# Altium PCB PCB1.PcbDoc (part 2 of 4) (continued)
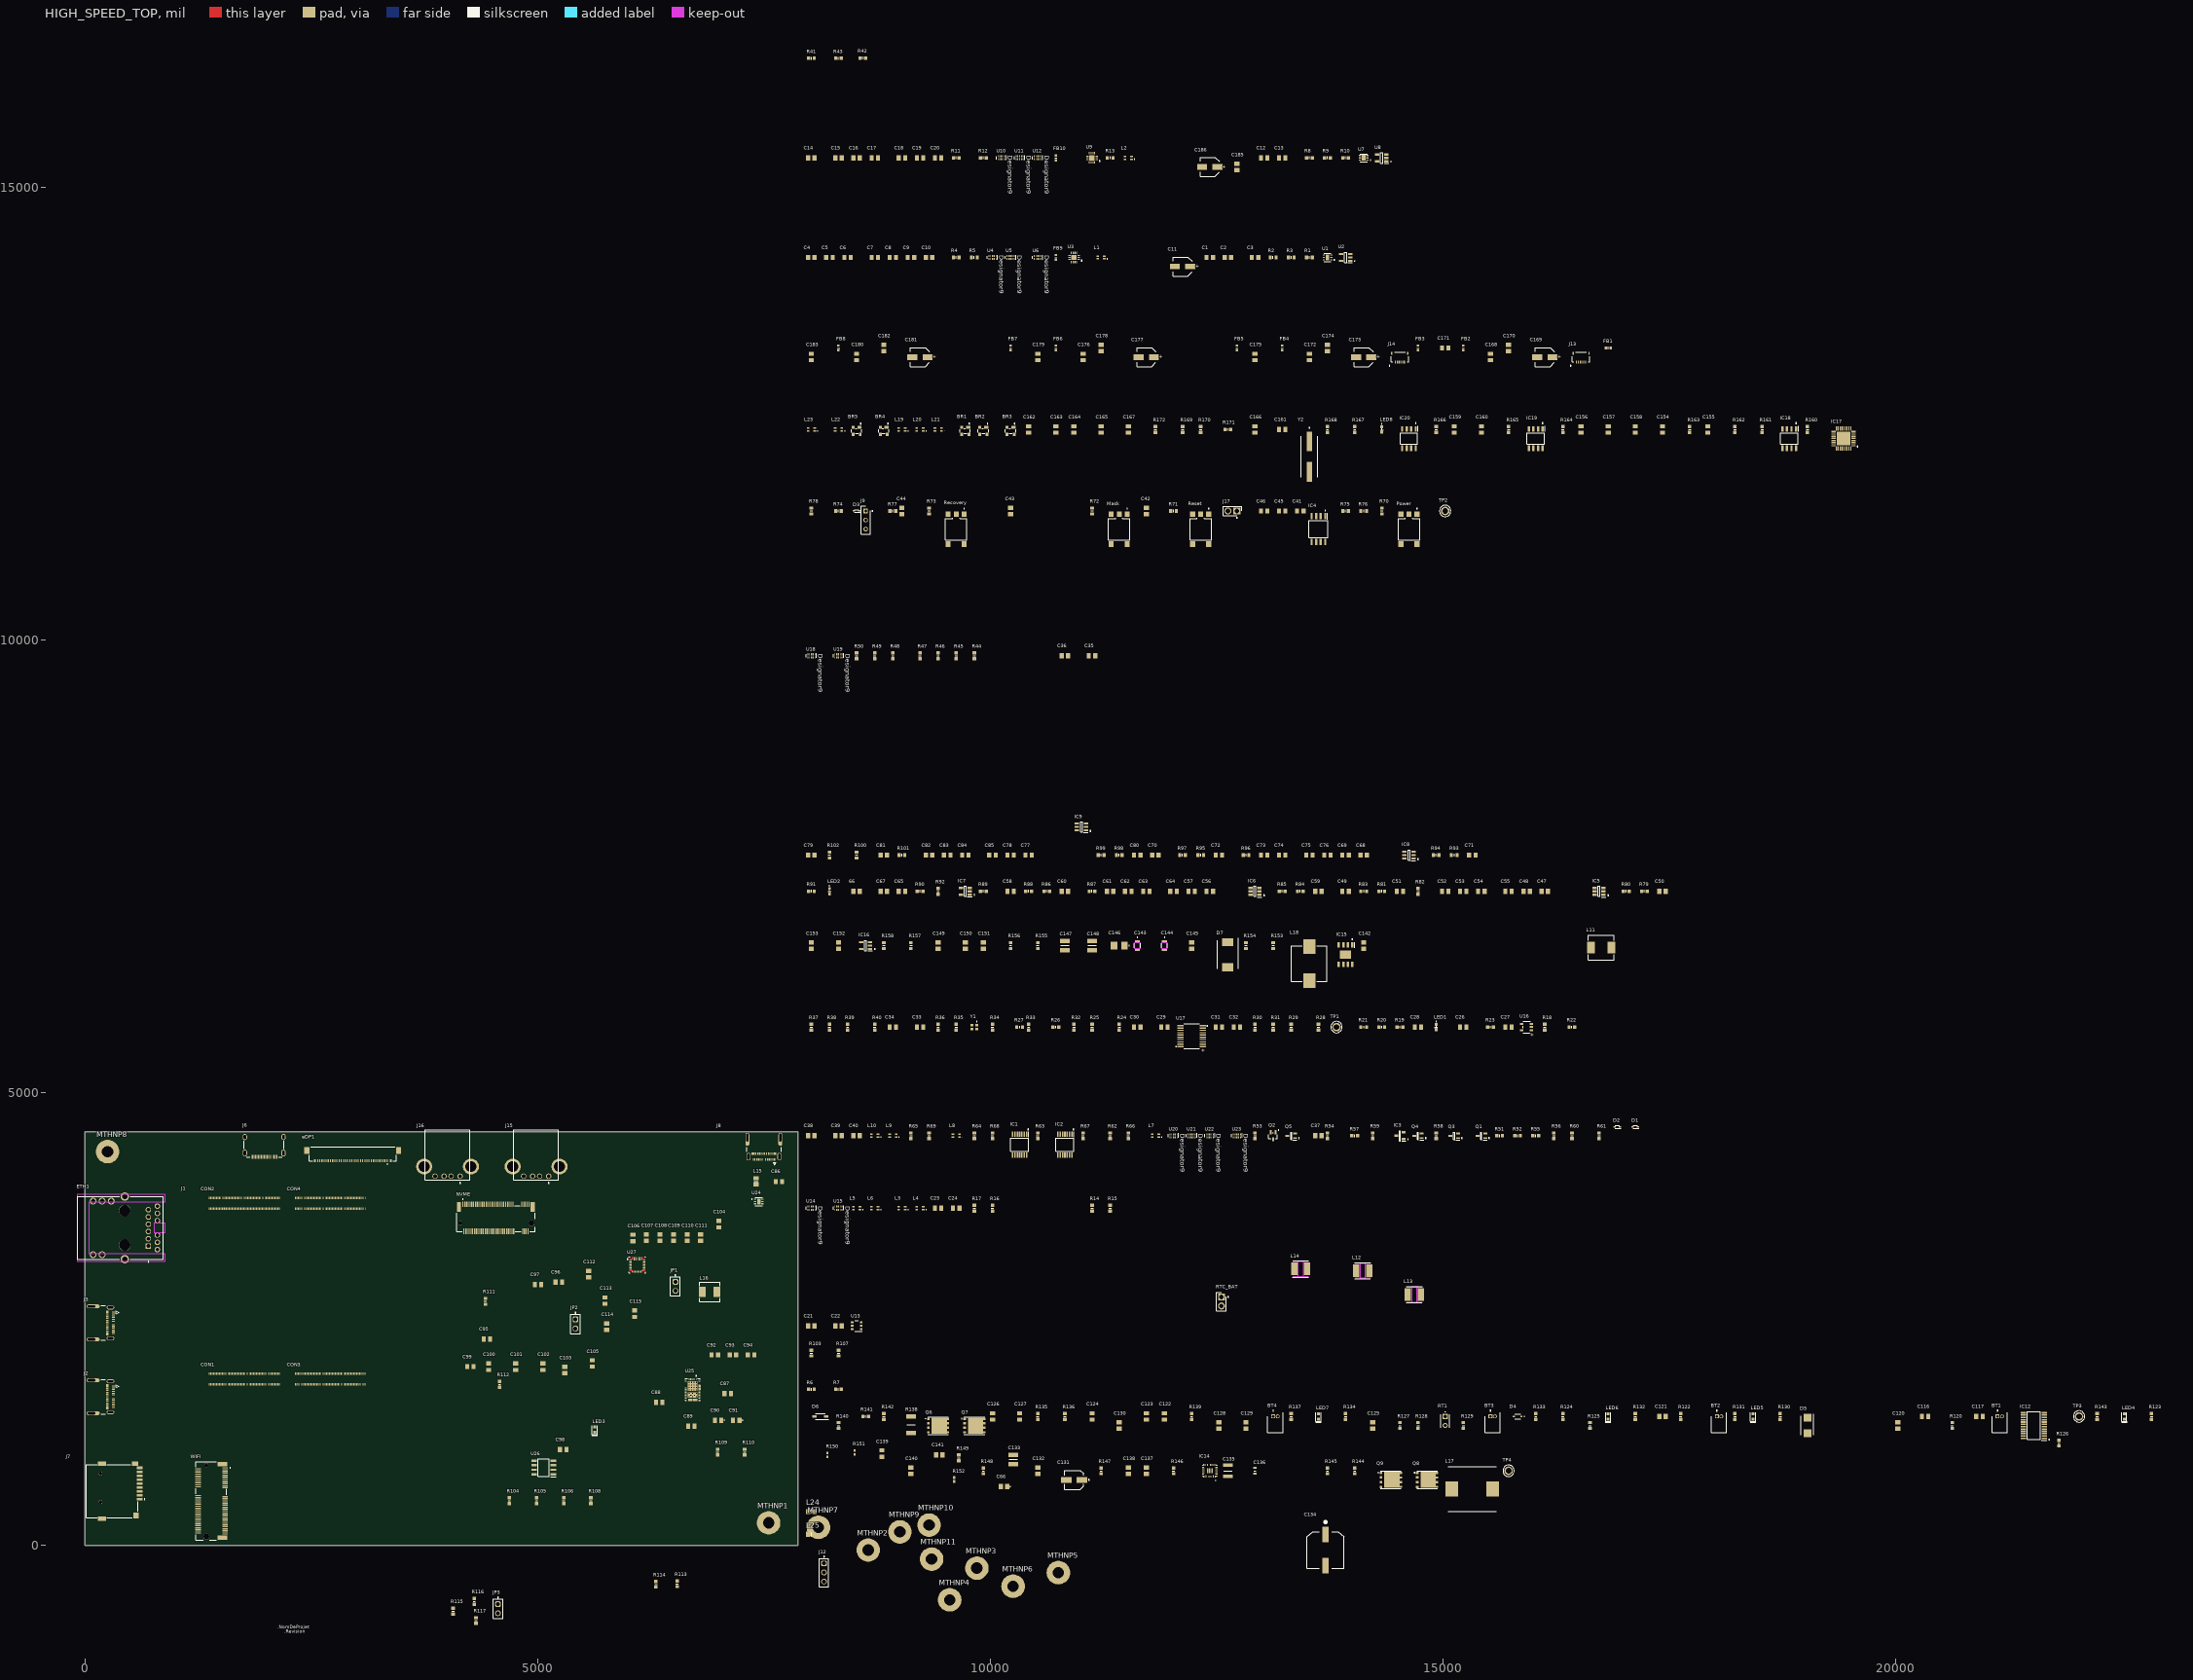
[diagram p0: HIGH_SPEED_TOP view]
## Part data (continued)
C90 C91: library part C0805C331K3GACTU, "330pF 25VC0G 0805 10%", Case Code (Imperial)=0805, Case Code (Metric)=2012, Dielectric=C0G, Dielectric Material=Ceramic, Manufacturer=KEMET, Max Operating Temperature=125°C, Min Operating Temperature=-55°C, Mouser Part Number=80-C0805C331K3G, Supplier Part Number=399-C0805C331K3GACTUCT-ND, Temperature Coefficient=30ppm/°C, Tolerance=10%, Voltage Rating=25V, Case/Package=0805, Category="Ceramic Capacitors", ComponentLink1Description=http://www.mouser.com/ds/2/212/KEM_C1003_C0G_SMD-1101588.pdf?src-supplier=Mouser, ComponentLink1URL=http://www.mouser.com/ds/2/212/KEM_C1003_C0G_SMD-1101588.pdf?src-supplier=Mouser, ComponentLink2Description=http://components.arrow.com/part/dataview/29547903S8614793N7429?src-supplier=Arrow+Electronics, ComponentLink2URL=http://components.arrow.com/part/dataview/29547903S8614793N7429?src-supplier=Arrow+Electronics, ComponentLink3Description=https://api.kemet.com/component-edge/download/datasheet/C0805C331K3GACTU.pdf?src-supplier=Digikey, ComponentLink3URL=https://api.kemet.com/component-edge/download/datasheet/C0805C331K3GACTU.pdf?src-supplier=Digikey, Construction=Flat, Datasheet Link=https://content.kemet.com/datasheets/KEM_C1003_C0G_SMD.pdf, Depth=1.25mm, Height=1.1mm, Lead Free="Lead Free", Length=2mm, Manufacturer Part Number=C0805C331K3GACTU, Manufacturer_Name=KEMET, Manufacturer_Part_Number=C0805C331K3GACTU, Material=4241ConductorMaterial, Mounting Technology="Surface Mount", Mouser Price/Stock=https://www.mouser.com/Search/Refine.aspx?Keyword=80-C0805C331K3G, Packaging="Tape and Reel", Pricing="1=0.26, 10=0.151, 100=0.0965, 1000=0.06823 (USD)", RoHS=Yes, RoHS Compliant=Yes, Series="SMD Comm C0G", Stock=3769, Supplier=Digikey, Termination=SMD/SMT, Voltage Rating (DC)=25V, Weight=0.000194oz, Width=1.25mm
C92 C93: library part CL21A226MAYNNNE, "22uF/25V 20% X5R 0805", Case/Package=0805, Dielectric=X5R, Manufacturer=Samsung, Manufacturer_Name=SAMSUNG, Max Operating Temperature=85°C, Min Operating Temperature=-55°C, Mouser Part Number=187-CL21A226MAYNNNE, Supplier Part Number=1276-CL21A226MAYNNNECT-ND, Tolerance=20%, Voltage Rating=25V, Arrow Part Number=CL21A226MAYNNNE, Arrow Price/Stock=https://www.arrow.com/en/products/cl21a226maynnne/samsung-electro-mechanics?utm_currency=USD&region=nac, Category="Ceramic Capacitors", ComponentLink1Description=https://datasheet.octopart.com/CL21A226MAYNNNE-Samsung-Electro-Mechanics-datasheet-149154243.pdf?src-supplier=Future+Electronics, ComponentLink1URL=https://datasheet.octopart.com/CL21A226MAYNNNE-Samsung-Electro-Mechanics-datasheet-149154243.pdf?src-supplier=Future+Electronics, Datasheet Link=http://product.samsungsem.com/mlcc/CL21A226MAYNNN.do, Height=1.45mm, Manufacturer Part Number=CL21A226MAYNNNE, Manufacturer_Part_Number=CL21A226MAYNNNE, Mouser Price/Stock=https://www.mouser.co.uk/ProductDetail/Samsung-Electro-Mechanics/CL21A226MAYNNNE?qs=xZ%2FP%252Ba9zWqY%2FVvCfXjMhqg%3D%3D, Pricing="1=0.14, 10=0.083, 100=0.0544, 1000=0.04301 (USD)", RoHS=Yes, RoHS Compliant=Yes, Stock=687201, Supplier=Digikey, Voltage Rating (DC)=25V
C97 C102 C106 C112: library part C0805C104K5RACTU, "0.1uF/50V X7R 10% 0805 Multilayer Ceramic Capacitors Mlcc Smd/Smt Rohs", Case Code (Imperial)=0805, Case Code (Metric)=2012, Dielectric=X7R, Manufacturer=KEMET, Max Operating Temperature=125°C, Min Operating Temperature=-55°C, Mouser Part Number=80-C0805C104K5R, Package Quantity=4000, Supplier Part Number=399-C0805C104K5RACTUCT-ND, Temperature Coefficient=30ppm/°C, Tolerance=10%, Voltage=500V, Voltage Rating=50V, Arrow Part Number=C0805C104K5RACTU, Arrow Price/Stock=https://www.arrow.com/en/products/c0805c104k5ractu/kemet-corporation?utm_currency=USD&region=nac, Case/Package=0805, Category="Ceramic Capacitors", ComponentLink1Description=https://datasheet.ciiva.com/32431/slceramic-chip-condensers-e-32431755.pdf?src-supplier=Distrelec, ComponentLink1URL=https://datasheet.ciiva.com/32431/slceramic-chip-condensers-e-32431755.pdf?src-supplier=Distrelec, ComponentLink2Description=https://datasheet.ciiva.com/28682/1851736-28682232.pdf?src-supplier=Element14, ComponentLink2URL=https://datasheet.ciiva.com/28682/1851736-28682232.pdf?src-supplier=Element14, ComponentLink3Description=https://datasheet.ciiva.com/18410/70095383-18410815.pdf?src-supplier=Allied+Electronics, ComponentLink3URL=https://datasheet.ciiva.com/18410/70095383-18410815.pdf?src-supplier=Allied+Electronics, ComponentLink4Description=https://datasheet.ciiva.com/14589/70095383-14589048.pdf?src-supplier=Allied+Electronics, ComponentLink4URL=https://datasheet.ciiva.com/14589/70095383-14589048.pdf?src-supplier=Allied+Electronics, Construction=Flat, Datasheet Link=https://content.kemet.com/datasheets/KEM_C1002_X7R_SMD.pdf, Depth=1.25mm, Height=1.1mm, Lead Free=5697LeadFree, Lead Pitch=0.75mm, Length=2mm, Manufacturer Part Number=C0805C104K5RACTU, Manufacturer_Name=KEMET, Manufacturer_Part_Number=C0805C104K5RACTU, Material=4241ConductorMaterial, Mounting Technology="Surface Mount,PCB", Mouser Price/Stock=https://www.mouser.co.uk/ProductDetail/KEMET/C0805C104K5RACTU?qs=Pc30aiB8zWUISNb2Qeyxfw%3D%3D, Packaging="Tape and Reel", Pins=2, Pricing="1=0.09, 10=0.037, 100=0.0248, 1000=0.0224 (USD)", Radiation Hardening=No, Reach SVHC Compliant=No, RoHS=Yes, RoHS Compliant=Yes, Series="SMD Comm X7R", Stock=625118, Supplier=Digikey, Termination=SMD/SMT, Voltage Rating (DC)=50V, Width=1.2mm
C103 C141: library part C0805C475K4RACTU, "4.7 uF, 16 V, ± 10%, X7R, 0805 [2012 Metric]", Case Code (Imperial)=0805, Case Code (Metric)=2012, Dielectric=X7R, Dielectric Material=Ceramic, Manufacturer=KEMET, Max Operating Temperature=125°C, Min Operating Temperature=-55°C, Mouser Part Number=80-C0805C475K4R, Package Quantity=1, Supplier Part Number=399-C0805C475K4RACTUCT-ND, Tolerance=10%, Voltage=16V, Arrow Part Number=C0805C475K4RACTU, Arrow Price/Stock=https://www.arrow.com/en/products/c0805c475k4ractu/kemet-corporation?region=nac, Case/Package=0805, Category="Ceramic Capacitors", ComponentLink1Description=https://datasheet.ciiva.com/28682/1851736-28682348.pdf?src-supplier=Element14, ComponentLink1URL=https://datasheet.ciiva.com/28682/1851736-28682348.pdf?src-supplier=Element14, ComponentLink2Description=https://datasheet.ciiva.com/5408/kem-c1002-x7r-smd-5408584.pdf?src-supplier=Mouser, ComponentLink2URL=https://datasheet.ciiva.com/5408/kem-c1002-x7r-smd-5408584.pdf?src-supplier=Mouser, Datasheet Link=https://content.kemet.com/datasheets/KEM_C1002_X7R_SMD.pdf, Depth=1.25mm, Dissipation Factor=5%, Height=1.1mm, Length=2mm, Manufacturer Part Number=C0805C475K4RACTU, Manufacturer_Name=KEMET, Manufacturer_Part_Number=C0805C475K4RACTU, Material=4241ConductorMaterial, Mounting Technology="Surface Mount", Mouser Price/Stock=https://www.mouser.co.uk/ProductDetail/KEMET/C0805C475K4RACTU?qs=iP0bYSAMAFomlmlmK2IJkg%3D%3D, Packaging="Tape and Reel", Pricing="1=0.23, 10=0.131, 100=0.1203, 1000=0.10305 (USD)", Reach SVHC Compliant=No, RoHS=Yes, RoHS Compliant=Yes, Series=C, Stock=21230, Supplier=Digikey, Termination=SMD/SMT, Thickness=0.055inch, Voltage Rating=16V, Voltage Rating (DC)=16V, Width=0.049inch
C104 C105: library part C0805C473K3GACTU, "47nF/25V C0G 10% Pad SMD 0805 125C Extreme Low ESR T/R", Case Code (Imperial)=0805, Case Code (Metric)=2012, Dielectric=C0G, Dielectric Material=Ceramic, Manufacturer=KEMET, Max Operating Temperature=125°C, Min Operating Temperature=-55°C, Mouser Part Number=80-C0805C473K3G, Package Quantity=2500, Supplier Part Number=399-C0805C473K3GACTUCT-ND, Temperature Coefficient=30ppm/°C, Tolerance=10%, Voltage Rating=25V, Arrow Part Number=C0805C473K3GACTU, Arrow Price/Stock=https://www.arrow.com/en/products/c0805c473k3gactu/kemet-corporation, Case/Package=0805, Category="Ceramic Capacitors", ComponentLink1Description=http://www.mouser.com/ds/2/212/KEM_C1003_C0G_SMD-1101588.pdf?src-supplier=Mouser, ComponentLink1URL=http://www.mouser.com/ds/2/212/KEM_C1003_C0G_SMD-1101588.pdf?src-supplier=Mouser, ComponentLink2Description=https://datasheet.octopart.com/C0805C473K3GACTU-KEMET-datasheet-149524387.pdf?src-supplier=Farnell, ComponentLink2URL=https://datasheet.octopart.com/C0805C473K3GACTU-KEMET-datasheet-149524387.pdf?src-supplier=Farnell, ComponentLink3Description=http://www.kemet.com/docfinder?Partnumber=C0805C473K3GACTU&src-supplier=Digikey, ComponentLink3URL=http://www.kemet.com/docfinder?Partnumber=C0805C473K3GACTU&src-supplier=Digikey, ComponentLink4Description=https://datasheet.octopart.com/C0805C473K3GACTU-KEMET-datasheet-170333844.pdf?src-supplier=Element14, ComponentLink4URL=https://datasheet.octopart.com/C0805C473K3GACTU-KEMET-datasheet-170333844.pdf?src-supplier=Element14, ComponentLink5Description=https://datasheet.octopart.com/C0805C473K3GACTU-KEMET-datasheet-170576076.pdf?src-supplier=Newark, ComponentLink5URL=https://datasheet.octopart.com/C0805C473K3GACTU-KEMET-datasheet-170576076.pdf?src-supplier=Newark, Datasheet Link=https://content.kemet.com/datasheets/KEM_C1003_C0G_SMD.pdf, Dissipation Factor=0.1%, Height=1.1mm, Lead Free="Lead Free", Length=0.079inch, Manufacturer Part Number=C0805C473K3GACTU, Manufacturer_Name=KEMET, Manufacturer_Part_Number=C0805C473K3GACTU, Material=4241ConductorMaterial, Mounting Technology="Surface Mount", Mouser Price/Stock=https://www.mouser.co.uk/ProductDetail/KEMET/C0805C473K3GACTU?qs=hgatC5DSIDyRnutBseD8Ww%3D%3D, Packaging="Tape and Reel", Pricing="1=0.73, 10=0.458, 100=0.3172, 1000=0.24413 (USD)", RoHS=Yes, RoHS Compliant=Yes, Series=C0805C, Stock=53635, Supplier=Digikey, Termination=SMD/SMT, Thickness=0.055inch, Voltage Rating (DC)=25V, Width=1.2mm
C131: "56uF 20VDC 20%( Cap Aluminum Polymer SMD 0.03 Ohm 2800mA 5000h 105C T/R", Case/Package=Radial, ESR (Equivalent Series Resistance)=30mR, Leakage Current=224uA, Manufacturer=Panasonic, Max Operating Temperature=105°C, Min Operating Temperature=-55°C, Mouser Part Number=667-20SVPF56MX, Package Quantity=1500, Ripple Current=2.8A, Supplier Part Number=P16502CT-ND, Tolerance=20%, Voltage=20V, Arrow Part Number=20SVPF56MX, Arrow Price/Stock=https://www.arrow.com/en/products/20svpf56mx/panasonic?region=nac, Category="Polymer Capacitors", ComponentLink1Description=https://datasheet.ciiva.com/25746/1734360-25746730.pdf?src-supplier=Farnell, ComponentLink1URL=https://datasheet.ciiva.com/25746/1734360-25746730.pdf?src-supplier=Farnell, ComponentLink2Description=https://datasheet.ciiva.com/24066/svpf-os-262415-24066271.pdf?src-supplier=Mouser, ComponentLink2URL=https://datasheet.ciiva.com/24066/svpf-os-262415-24066271.pdf?src-supplier=Mouser, ComponentLink3Description=https://datasheet.ciiva.com/48542/svpf-eng-ds-48542383.pdf?src-supplier=Distrelec, ComponentLink3URL=https://datasheet.ciiva.com/48542/svpf-eng-ds-48542383.pdf?src-supplier=Distrelec, Datasheet Link=http://industrial.panasonic.com/cdbs/www-data/pdf/AAB8000/AAB8000C177.pdf, Diameter=5mm, Dissipation Factor=12%, Height=6mm, Length=5.9mm, Life (Hours)=5000Hour, Manufacturer Part Number=20SVPF56MX, Manufacturer_Name=Panasonic, Manufacturer_Part_Number=20SVPF56MX, Mounting Technology="Surface Mount", Mouser Price/Stock=https://www.mouser.co.uk/ProductDetail/Panasonic/20SVPF56MX?qs=OE1iw1LrrPFJ8spd6yzaew%3D%3D, Packaging="Tape and Reel", Pins=6, Pricing="1=0.84, 10=0.481, 50=0.473, 100=0.453, 500=0.407 (USD)", Reach SVHC Compliant=No, Ripple Current (AC)=2.8A, RoHS=Yes, RoHS Compliant=Yes, Series="OS-CON™, SVPF", Stock=2410, Supplier=Digikey, Termination=SMD/SMT, Voltage Rating=20V, Voltage Rating (DC)=20V
C133: library part GRM32ER61E226KE15L, "1210 22 uF 25 V ±10% Tolerance X5R SMT Multilayer Ceramic Capacitor", Case Code (Imperial)=1210, Case Code (Metric)=3225, Dielectric=X5R, Manufacturer=Murata, Manufacturer_Name="Murata Electronics", Max Operating Temperature=85°C, Min Operating Temperature=-55°C, Mouser Part Number=81-GRM32ER61E226KE15, Package Quantity=1, Supplier Part Number=490-3889-1-ND, Tolerance=10%, Voltage=25V, Arrow Part Number=GRM32ER61E226KE15L, Arrow Price/Stock=https://www.arrow.com/en/products/grm32er61e226ke15l/murata-manufacturing?utm_currency=USD&region=nac, Case/Package=1210, Category="Ceramic Capacitors", ComponentLink1Description=https://datasheet.ciiva.com/143/product-143250.pdf?src-supplier=Digikey, ComponentLink1URL=https://datasheet.ciiva.com/143/product-143250.pdf?src-supplier=Digikey, ComponentLink2Description=https://datasheet.ciiva.com/3777/2725grm32er61e226ke1523-3777196.pdf?src-supplier=Arrow+Electronics, ComponentLink2URL=https://datasheet.ciiva.com/3777/2725grm32er61e226ke1523-3777196.pdf?src-supplier=Arrow+Electronics, ComponentLink3Description=https://datasheet.ciiva.com/11787/0900766b80ef921d-11787889.pdf?src-supplier=Rs, ComponentLink3URL=https://datasheet.ciiva.com/11787/0900766b80ef921d-11787889.pdf?src-supplier=Rs, ComponentLink4Description=https://datasheet.ciiva.com/143/grm32er61e226ke15-01-143251.pdf?src-supplier=Digikey, ComponentLink4URL=https://datasheet.ciiva.com/143/grm32er61e226ke15-01-143251.pdf?src-supplier=Digikey, ComponentLink5Description=https://datasheet.ciiva.com/143/grm32er61e226ke15-01-143252.pdf?src-supplier=Digikey, ComponentLink5URL=https://datasheet.ciiva.com/143/grm32er61e226ke15-01-143252.pdf?src-supplier=Digikey, ComponentLink6Description=https://datasheet.ciiva.com/2989/product-2989817.pdf?src-supplier=Avnet, ComponentLink6URL=https://datasheet.ciiva.com/2989/product-2989817.pdf?src-supplier=Avnet, ComponentLink7Description=https://datasheet.ciiva.com/2989/product-2989818.pdf?src-supplier=Avnet, ComponentLink7URL=https://datasheet.ciiva.com/2989/product-2989818.pdf?src-supplier=Avnet, ComponentLink8Description=https://datasheet.ciiva.com/16348/l0006e-16348889.pdf?src-supplier=Future+Electronics, ComponentLink8URL=https://datasheet.ciiva.com/16348/l0006e-16348889.pdf?src-supplier=Future+Electronics, ComponentLink9Description=https://datasheet.ciiva.com/7719/608985-7719195.pdf?src-supplier=Element14, ComponentLink9URL=https://datasheet.ciiva.com/7719/608985-7719195.pdf?src-supplier=Element14, ComponentLink10Description=https://datasheet.ciiva.com/14116/grmseries-highdielectrictype-eng-14116379.pdf?src-supplier=Distrelec, ComponentLink10URL=https://datasheet.ciiva.com/14116/grmseries-highdielectrictype-eng-14116379.pdf?src-supplier=Distrelec, ComponentLink11Description=https://datasheet.ciiva.com/22706/608985-22706873.pdf?src-supplier=Element14, ComponentLink11URL=https://datasheet.ciiva.com/22706/608985-22706873.pdf?src-supplier=Element14, Construction=Flat, Datasheet Link=https://search.murata.co.jp/Ceramy/image/img/A01X/G101/ENG/GRM32ER61E226KE15-01A.pdf, Depth=2.5mm, Height=2.7mm, Lead Free="Lead Free", Length=3.2mm, Manufacturer Part Number=GRM32ER61E226KE15L, Manufacturer_Part_Number=GRM32ER61E226KE15L, Material=Ceramic, Mounting Technology="Surface Mount", Mouser Price/Stock=https://www.mouser.co.uk/ProductDetail/Murata-Electronics/GRM32ER61E226KE15L?qs=CHiu0TXTCq%252Bo%252Bcqcz70txw%3D%3D, Packaging="Tape and Reel", Pins=2, Pricing="1=1.44, 10=1.213, 100=0.9457 (USD)", Reach SVHC Compliant=No, RoHS=Yes, RoHS Compliant=Yes, Series=GRM, Stock=470491, Supplier=Digikey, Termination=SMD/SMT, Thickness=0.106inch, Voltage Rating=25V, Voltage Rating (DC)=25V, Width=2.5mm
C134: library part 35SVPF120M, "120uF 35VDC 20% Cap Aluminum Polymer   SMD 0.018 Ohm 4400mA 5000h 105C T/R", Case/Package=Radial, ESR (Equivalent Series Resistance)=18mR, Leakage Current=840uA, Manufacturer=Panasonic, Max Operating Temperature=105°C, Min Operating Temperature=-55°C, Mouser Part Number=667-35SVPF120M, Package Quantity=400, Ripple Current=4.4A, Supplier Part Number=P16559CT-ND, Tolerance=20%, Voltage=35V, Arrow Part Number=35SVPF120M, Arrow Price/Stock=https://www.arrow.com/en/products/35svpf120m/panasonic?utm_currency=USD&region=nac, Category="Polymer Capacitors", ComponentLink1Description=https://datasheet.ciiva.com/25761/1734360-25761535.pdf?src-supplier=Farnell, ComponentLink1URL=https://datasheet.ciiva.com/25761/1734360-25761535.pdf?src-supplier=Farnell, ComponentLink2Description=https://datasheet.ciiva.com/24094/svpf-os-262415-24094351.pdf?src-supplier=Mouser, ComponentLink2URL=https://datasheet.ciiva.com/24094/svpf-os-262415-24094351.pdf?src-supplier=Mouser, ComponentLink3Description=https://datasheet.ciiva.com/48542/svpf-eng-ds-48542424.pdf?src-supplier=Distrelec, ComponentLink3URL=https://datasheet.ciiva.com/48542/svpf-eng-ds-48542424.pdf?src-supplier=Distrelec, ComponentLink4Description=https://datasheet.ciiva.com/49032/70324301-49032503.pdf?src-supplier=Allied+Electronics, ComponentLink4URL=https://datasheet.ciiva.com/49032/70324301-49032503.pdf?src-supplier=Allied+Electronics, ComponentLink5Description=https://datasheet.ciiva.com/22746/1734360-22746250.pdf?src-supplier=Element14, ComponentLink5URL=https://datasheet.ciiva.com/22746/1734360-22746250.pdf?src-supplier=Element14, Datasheet Link=http://industrial.panasonic.com/cdbs/www-data/pdf/AAB8000/AAB8000C177.pdf, Diameter=10mm, Dissipation Factor=12%, Height=12.7mm, Lead Free="Lead Free", Length=12.6mm, Life (Hours)=5000Hour, Manufacturer Part Number=35SVPF120M, Manufacturer_Name=Panasonic, Manufacturer_Part_Number=35SVPF120M, Material=Polymer, Mounting Technology="Surface Mount,PCB", Mouser Price/Stock=https://www.mouser.co.uk/ProductDetail/Panasonic/35SVPF120M?qs=OE1iw1LrrPEMtY1ZtoIEvg%3D%3D, Packaging="Tape and Reel", Pins=12, Pricing="1=2.52, 10=1.63, 50=1.35, 100=1.2 (USD)", Reach SVHC Compliant=No, Ripple Current (AC)=4.4A, RoHS=Yes, RoHS Compliant=Yes, Series="OS-CON™, SVPF", Stock=8642, Supplier=Digikey, Termination=SMD/SMT, Voltage Rating=35V, Voltage Rating (DC)=35V
C135: library part C3225X7R1H106M250AC, "10 uF 50 V 1210 ±20 % Tolerance X7R SMT Multilayer Ceramic Capacitor", Case Code (Imperial)=1210, Case Code (Metric)=3225, Dielectric=X7R, Dielectric Material=Ceramic, Manufacturer=TDK, Max Operating Temperature=125°C, Min Operating Temperature=-55°C, Mouser Part Number=810-C3225X7R1H106MAC, Package Quantity=1000, Supplier Part Number=445-14933-1-ND, Tolerance=20%, Voltage Rating=50V, Arrow Part Number=C3225X7R1H106M250AC, Arrow Price/Stock=https://www.arrow.com/en/products/c3225x7r1h106m250ac/tdk?region=nac, Case/Package=1210, Category="Ceramic Capacitors", ComponentLink1Description=http://www.farnell.com/datasheets/2792994.pdf?src-supplier=Farnell, ComponentLink1URL=http://www.farnell.com/datasheets/2792994.pdf?src-supplier=Farnell, ComponentLink2Description=http://www.mouser.com/ds/2/400/tdk_mlcc_commercial_general_en-542463.pdf?src-supplier=Mouser, ComponentLink2URL=http://www.mouser.com/ds/2/400/tdk_mlcc_commercial_general_en-542463.pdf?src-supplier=Mouser, ComponentLink3Description=https://product.tdk.com/info/en/documents/chara_sheet/C3225X7R1H106M250AC.pdf?src-supplier=Digikey, ComponentLink3URL=https://product.tdk.com/info/en/documents/chara_sheet/C3225X7R1H106M250AC.pdf?src-supplier=Digikey, ComponentLink4Description=http://product.tdk.com/capacitor/mlcc/en/documents/mlcc_commercial_general_en.pdf?src-supplier=Avnet, ComponentLink4URL=http://product.tdk.com/capacitor/mlcc/en/documents/mlcc_commercial_general_en.pdf?src-supplier=Avnet, ComponentLink5Description=http://www.farnell.com/datasheets/2291921.pdf?src-supplier=Newark, ComponentLink5URL=http://www.farnell.com/datasheets/2291921.pdf?src-supplier=Newark, ComponentLink6Description=https://datasheet.octopart.com/C3225X7R1H106M250AC-TDK-datasheet-14433597.pdf?src-supplier=Future+Electronics, ComponentLink6URL=https://datasheet.octopart.com/C3225X7R1H106M250AC-TDK-datasheet-14433597.pdf?src-supplier=Future+Electronics, Datasheet Link=https://product.tdk.com/info/en/catalog/datasheets/mlcc_commercial_midvoltage_en.pdf, Height=2.3mm, Lead Free="Lead Free", Length=0.126inch, Manufacturer Part Number=C3225X7R1H106M250AC, Manufacturer_Name=TDK, Manufacturer_Part_Number=C3225X7R1H106M250AC, Material=Ceramic, Mounting Technology="Surface Mount", Mouser Price/Stock=https://www.mouser.co.uk/ProductDetail/TDK/C3225X7R1H106M250AC?qs=6JAMGB%252BEdkwY95l8JqNSnw%3D%3D, Packaging="Tape and Reel", Pricing="1=0.96, 10=0.612, 100=0.4336 (USD)", Reach SVHC Compliant=No, RoHS=Yes, RoHS Compliant=Yes, Series=C, Stock=7078, Supplier=Digikey, Termination=SMD/SMT, Thickness=0.11inch, Voltage Rating (DC)=50V, Weight=0.000564oz, Width=0.098inch
C136: library part C1608X5R1H105K080AB, "1uF / 50 V, X5R,  Surface Mount, 0603", Case Code (Imperial)=0603, Case Code (Metric)=1608, Dielectric=X5R, Dielectric Material=4241ConductorMaterial, Manufacturer=TDK, Max Operating Temperature=85°C, Min Operating Temperature=-55°C, Mouser Part Number=810-C1608X5R1H105K, Package Quantity=1, Supplier Part Number=445-7468-1-ND, Tolerance=10%, Voltage=50V, Arrow Part Number=C1608X5R1H105K080AB, Arrow Price/Stock=https://www.arrow.com/en/products/c1608x5r1h105k080ab/tdk?region=nac, Case/Package=0603, Category="Ceramic Capacitors", ComponentLink1Description=https://datasheet.ciiva.com/6291/tdkmlcccaprange-6291880.pdf?src-supplier=Digikey, ComponentLink1URL=https://datasheet.ciiva.com/6291/tdkmlcccaprange-6291880.pdf?src-supplier=Digikey, ComponentLink2Description=https://datasheet.ciiva.com/22694/1796654-22694122.pdf?src-supplier=Element14, ComponentLink2URL=https://datasheet.ciiva.com/22694/1796654-22694122.pdf?src-supplier=Element14, Construction=Flat, Datasheet Link=https://product.tdk.com/info/en/catalog/datasheets/mlcc_commercial_midvoltage_en.pdf, Depth=0.8mm, Height=0.8mm, Lead Free="Lead Free", Length=1.6mm, Manufacturer Part Number=C1608X5R1H105K080AB, Manufacturer_Name=TDK, Manufacturer_Part_Number=C1608X5R1H105K080AB, Material=Ceramic, Mounting Technology="Surface Mount", Mouser Price/Stock=https://www.mouser.co.uk/ProductDetail/TDK/C1608X5R1H105K080AB?qs=NRhsANhppD%252BLmxnPDqAv3A%3D%3D, Packaging="Tape and Reel", Pins=2, Pricing="1=0.15, 10=0.086, 100=0.0526, 1000=0.03552 (USD)", Reach SVHC Compliant=No, RoHS=Yes, RoHS Compliant=Yes, Series=C, Stock=19911, Supplier=Digikey, Thickness=0.035inch, Voltage Rating=50V, Width=0.031inch
C139: library part C0805C472K4RACTU, "4.7nF, 16VDC, 10-% Tol, 10+% Tol, X7R-TC Code, -15, 15%-TC RoHS Compliant: Yes", Case Code (Imperial)=0805, Case Code (Metric)=2012, Dielectric=X7R, Dielectric Material=Ceramic, Manufacturer=KEMET, Max Operating Temperature=125°C, Mfr_Name=Kemet, Min Operating Temperature=-55°C, Package Quantity=4000, Supplier Part Number=399-C0805C472K4RACTUCT-ND, Tolerance=10%, Voltage Rating=16V, Case/Package=0805, Category="Ceramic Capacitors", ComponentLink1Description=http://www.mouser.com/ds/2/212/KEM_C1002_X7R_SMD-1102033.pdf?src-supplier=Mouser, ComponentLink1URL=http://www.mouser.com/ds/2/212/KEM_C1002_X7R_SMD-1102033.pdf?src-supplier=Mouser, ComponentLink2Description=http://components.arrow.com/part/dataview/3449985S6352420N7429?src-supplier=Arrow+Electronics, ComponentLink2URL=http://components.arrow.com/part/dataview/3449985S6352420N7429?src-supplier=Arrow+Electronics, ComponentLink3Description=http://www.kemet.com/docfinder?Partnumber=C0805C472K4RACTU&src-supplier=Digikey, ComponentLink3URL=http://www.kemet.com/docfinder?Partnumber=C0805C472K4RACTU&src-supplier=Digikey, Depth=1.25mm, Length=2mm, Manufacturer Part Number=C0805C472K4RACTU, Mounting Technology="Surface Mount", Packaging="Tape and Reel", Pricing="1=0.26, 10=0.151, 100=0.0965, 1000=0.06823 (USD)", RoHS=Yes, RoHS Compliant=Yes, Series=C, Stock=8963, Supplier=Digikey, Termination=SMD/SMT, Thickness=0.035inch, Voltage Rating (DC)=16V, Weight=0.000194oz, Width=1.2mm
C140: library part C0805C150K4GACTU, "15 pF, 16 V, ± 10%, C0G (NP0), 0805 [2012 Metric]", Case Code (Imperial)=0805, Case Code (Metric)=2012, Dielectric=C0G, Dielectric Material=Ceramic, Manufacturer=KEMET, Max Operating Temperature=125°C, Mfr_Name=Kemet, Min Operating Temperature=-55°C, Package Quantity=4000, Supplier Part Number=399-C0805C150K4GACTUCT-ND, Tolerance=10%, Voltage Rating=16V, Case/Package=0805, Category="Ceramic Capacitors", ComponentLink1Description=https://datasheet.ciiva.com/5412/kem-c1003-c0g-smd-5412789.pdf?src-supplier=Mouser, ComponentLink1URL=https://datasheet.ciiva.com/5412/kem-c1003-c0g-smd-5412789.pdf?src-supplier=Mouser, Depth=1.25mm, Height=0.78mm, Lead Free="Lead Free", Lead Pitch=0.75mm, Length=2mm, Manufacturer Part Number=C0805C150K4GACTU, Mounting Technology="Surface Mount", Packaging="Tape and Reel", Pricing="1=0.22, 10=0.124, 100=0.078, 1000=0.05429 (USD)", RoHS=Yes, RoHS Compliant=Yes, Series="SMD Comm C0G", Stock=7321, Supplier=Digikey, Termination=SMD/SMT, Voltage Rating (DC)=16V
C143 C144: library part CGA4J3X5R1H475K125AB, "4.7uF/50V X5R 卤10% 0805 Multilayer Ceramic Capacitors MLCC - SMD/SMT ROHS", Case Code (Imperial)=0805, Case Code (Metric)=2012, Dielectric=X5R, Manufacturer=TDK, Max Operating Temperature=85°C, Min Operating Temperature=-55°C, Package Quantity=2000, Ratings=AEC-Q200, Supplier Part Number=445-7882-1-ND, Tolerance=10%, Voltage=50V, Case/Package=0805, Category="Ceramic Capacitors", ComponentLink1Description=https://datasheet.ciiva.com/24216/cga4j3x5r1h475k125ab-266053-24216004.pdf?src-supplier=Mouser, ComponentLink1URL=https://datasheet.ciiva.com/24216/cga4j3x5r1h475k125ab-266053-24216004.pdf?src-supplier=Mouser, ComponentLink2Description=https://datasheet.ciiva.com/7975/1807242-7975439.pdf?src-supplier=Element14, ComponentLink2URL=https://datasheet.ciiva.com/7975/1807242-7975439.pdf?src-supplier=Element14, ComponentLink3Description=https://datasheet.ciiva.com/22703/1807242-22703720.pdf?src-supplier=Element14, ComponentLink3URL=https://datasheet.ciiva.com/22703/1807242-22703720.pdf?src-supplier=Element14, Depth=1.25mm, Height=1.25mm, Lead Free=5697LeadFree, Length=2mm, Manufacturer Part Number=CGA4J3X5R1H475K125AB, Material=4241ConductorMaterial, Mfr_Name=TDK, Mounting Technology="Surface Mount", Packaging="Tape and Reel", Pricing="1=0.42, 10=0.252, 100=0.1666, 1000=0.1226 (USD)", Reach SVHC Compliant=No, RoHS=Yes, RoHS Compliant=Yes, Series=CGA, Stock=1114173, Supplier=Digikey, Termination=SMD/SMT, Voltage Rating=50V, Voltage Rating (DC)=50V, Weight=0.000194oz, Width=1.25mm
C145: library part C0805C103K5RACTU, "10nF/50V X7R 0805 10%", Case Code (Imperial)=0805, Case Code (Metric)=2012, Dielectric=X7R, Dielectric Material=Ceramic, Manufacturer=KEMET, Max Operating Temperature=125°C, Mfr_Name=Kemet, Min Operating Temperature=-55°C, Supplier Part Number=399-C0805C103K5RACTUCT-ND, Temperature Coefficient=30ppm/°C, Tolerance=10%, Voltage=50V, Case/Package=0805, Category="Ceramic Capacitors", Construction=Flat, Depth=1.25mm, Height=0.78mm, Lead Free=5697LeadFree, Length=2mm, Manufacturer Part Number=C0805C103K5RACTU, Material=Ceramic, Mounting Technology="Surface Mount", Packaging="Tape and Reel", Pins=2NUMBER, Pricing="1=0.17, 10=0.11, 100=0.0576, 1000=0.0384, 4000=0.0104, 8000=0.01 (USD)", Radiation Hardening=No, Reach SVHC Compliant=4186SVHC, RoHS=Yes, Series="SMD Comm X7R", Stock=1014415, Supplier=Digikey, Thickness=889um, Voltage Rating=50V, Voltage Rating (AC)=50V
C146: library part T520B107M006ATE015, "100uF / 6.3VDC B CASE 20%  Cap Tant Polymer SMD 3528-21 0.015 Ohm 105C T/R", Case Code (Imperial)=1411, Case Code (Metric)=3528, Dielectric Material=Tantalum, ESR (Equivalent Series Resistance)=15mR, Leakage Current=63uA, Manufacturer=KEMET, Max Operating Temperature=105°C, Min Operating Temperature=-55°C, Mouser Part Number=80-T520B107M6ATE15, Package Quantity=2000, Ripple Current=2.9A, Supplier Part Number=399-5306-1-ND, Tolerance=20%, Voltage=6.3V, Arrow Part Number=T520B107M006ATE015, Arrow Price/Stock=https://www.arrow.com/en/products/t520b107m006ate015/kemet-corporation?region=nac, Case/Package=1411, Category="Polymer Capacitors", ComponentLink1Description=https://datasheet.ciiva.com/22691/1759391-22691465.pdf?src-supplier=Element14, ComponentLink1URL=https://datasheet.ciiva.com/22691/1759391-22691465.pdf?src-supplier=Element14, ComponentLink2Description=https://datasheet.ciiva.com/11793/0900766b80df3fa9-11793075.pdf?src-supplier=Rs, ComponentLink2URL=https://datasheet.ciiva.com/11793/0900766b80df3fa9-11793075.pdf?src-supplier=Rs, ComponentLink3Description=https://datasheet.ciiva.com/260/kem-t2015-t520-260611.pdf?src-supplier=Digikey, ComponentLink3URL=https://datasheet.ciiva.com/260/kem-t2015-t520-260611.pdf?src-supplier=Digikey, ComponentLink4Description=https://datasheet.ciiva.com/260/kem-t2015-t520-260612.pdf?src-supplier=Digikey, ComponentLink4URL=https://datasheet.ciiva.com/260/kem-t2015-t520-260612.pdf?src-supplier=Digikey, ComponentLink5Description=https://datasheet.ciiva.com/260/kem-t2015-t520-260613.pdf?src-supplier=Digikey, ComponentLink5URL=https://datasheet.ciiva.com/260/kem-t2015-t520-260613.pdf?src-supplier=Digikey, ComponentLink6Description=https://datasheet.ciiva.com/5459/kem-t2015-t520-368569-5459447.pdf?src-supplier=Mouser, ComponentLink6URL=https://datasheet.ciiva.com/5459/kem-t2015-t520-368569-5459447.pdf?src-supplier=Mouser, Construction=Flat, Datasheet Link=https://content.kemet.com/datasheets/KEM_T2076_T52X-530.pdf, Depth=2.8mm, Dissipation Factor=8%, Features="General Purpose", Height=2mm, Length=3.5mm, Manufacturer Part Number=T520B107M006ATE015, Manufacturer_Name=KEMET, Manufacturer_Part_Number=T520B107M006ATE015, Material=Polymer, Mounting Technology="Surface Mount", Mouser Price/Stock=https://www.mouser.co.uk/ProductDetail/KEMET/T520B107M006ATE015?qs=OJGUyRWaYtOytoGOf%2F5t0w%3D%3D, Packaging="Tape and Reel", Pins=2, Polarity=Polar, Pricing="1=1.5, 10=0.989, 50=0.7882, 100=0.726, 500=0.621, 1000=0.58851 (USD)", Radiation Hardening=No, Reach SVHC Compliant=No, RoHS=Yes, RoHS Compliant=Yes, Series="KO-CAP® T520", Stock=29629, Supplier=Digikey, Termination=SMD/SMT, Voltage Rating=6.3V, Voltage Rating (DC)=6.3V, Width=2.8mm